# Altium PCB CherryPi.PcbDoc (part 1 of 2) (continued)
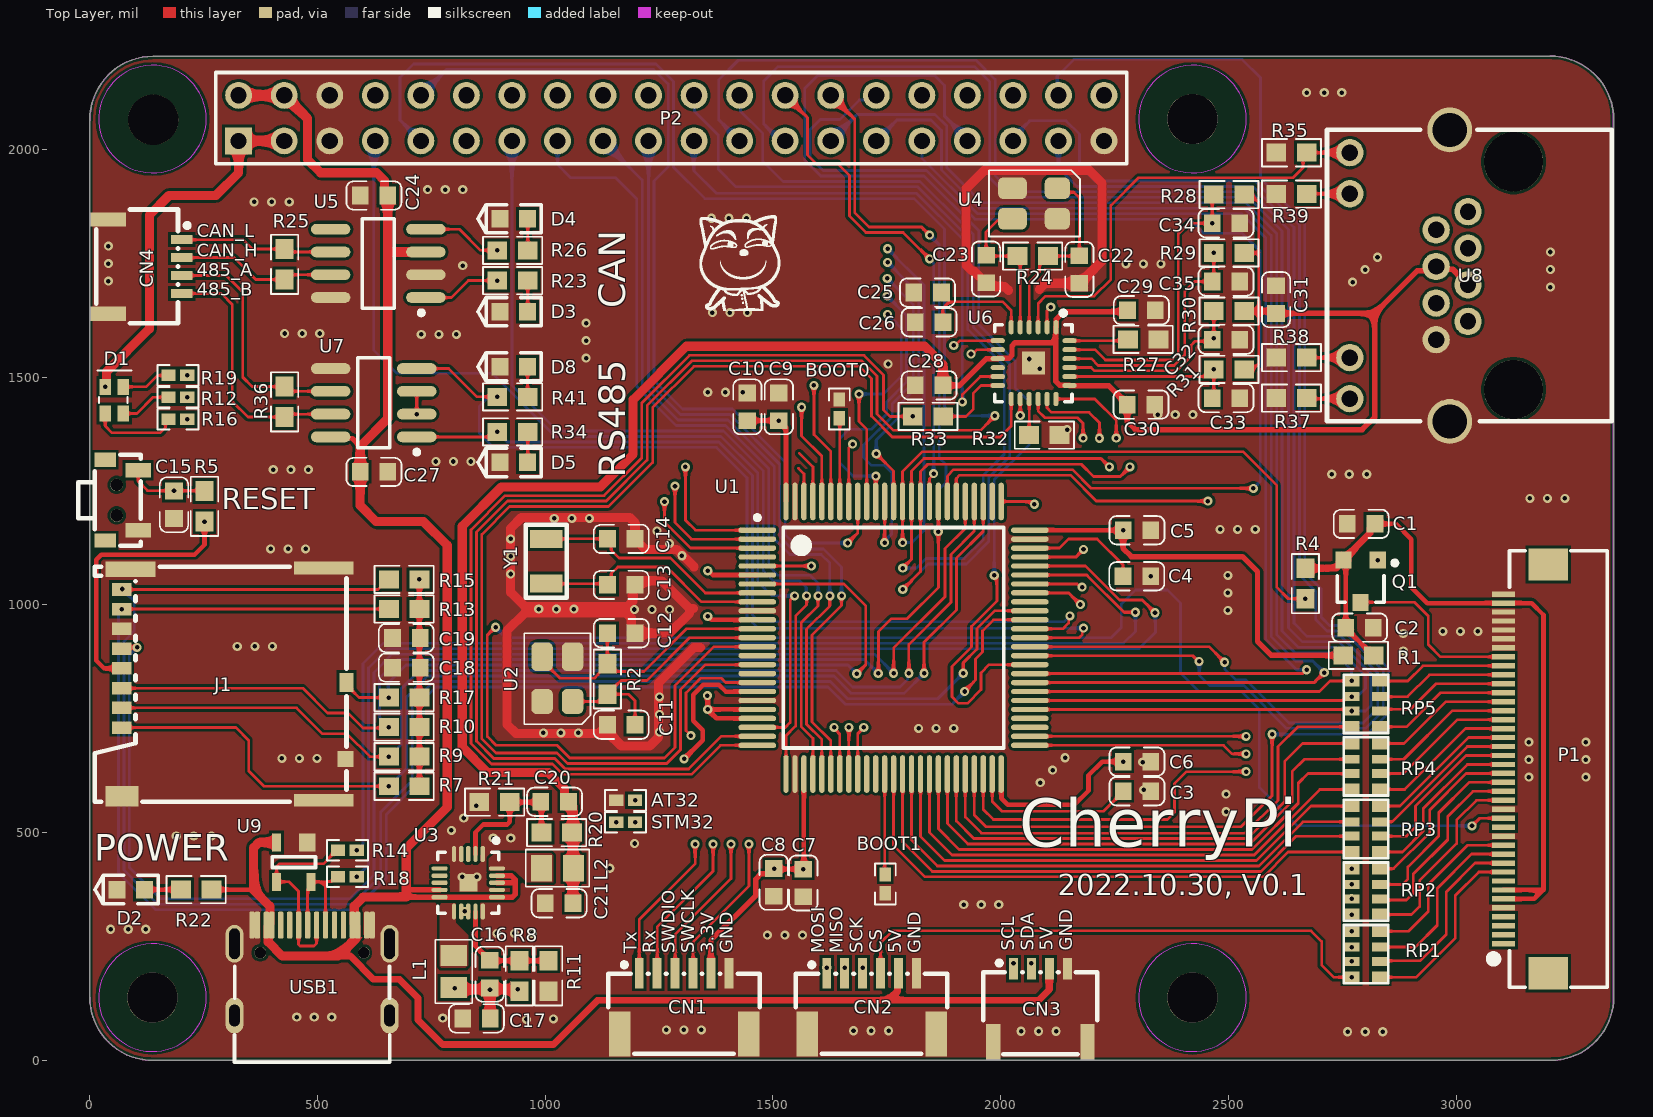
[diagram p0: Top Layer view]
## Footprints (in the part's own frame and the unit in brackets; to place one, negate y for a bottom-side part, rotate by r counter-clockwise, add the part's x,y. Pads: shape width x height; smd on the part's side, far side on the other; paste and mask are expansions set on the pad)
"0402_R - M" [mm]
  rect 0.8x0.65 smd mask+0.051: 1(-0.525,0) 2(0.525,0)
  silkscreen extent -1.14,-0.58 1.14,0.58, body extent -0.5,-0.25 0.5,0.25, height 0.35
0603_C [mm]
  rect 0.93x0.98 smd: 1(-0.77,0) 2(0.77,0)
  silkscreen extent -1.53,-0.79 1.54,0.79, body extent -0.8,-0.4 0.8,0.4, height 0.3
0603_R [mm] "贴片带丝印"
  rect 1.1x1 smd: 1(-0.85,0) 2(0.85,0)
  silkscreen extent -1.65,-0.76 1.65,0.76, body extent -0.82,-0.41 0.83,0.41, height 0.46
0603_R(2x4) [mm]
  rect 0.9x0.65 smd: 1(0.825,1.28) 2(-0.775,1.28) 7(0.825,-1.28) 8(-0.775,-1.28)
  rect 0.9x0.5 smd: 3(0.825,0.4) 4(-0.775,0.4) 5(0.825,-0.4) 6(-0.775,-0.4)
  silkscreen extent -1.22,-1.63 1.27,1.63, body extent -0.77,-1.6 0.83,1.6, height 0.6
0805_L [mm]
  rect 1.16x1.47 smd: 1(-0.89,0) 2(0.89,0)
  silkscreen extent -1.77,-1.04 1.77,1.03, body extent -1.02,-0.64 1.03,0.64, height 0.6
"FPC0.5 2H-WS-40P" [mm] "长：24.2mm，宽：5.2mm，高：2mm"
  rect 1.8x2.2 smd: 0(-11.4,0) 0(11.4,0)
  rect 0.3x1.3 smd: 1(-9.75,2.497) 2(-9.25,2.497) 3(-8.75,2.497) 4(-8.25,2.497) 5(-7.75,2.497) 6(-7.25,2.497) 7(-6.75,2.497) 8(-6.25,2.497) 9(-5.75,2.497) 10(-5.25,2.497) 11(-4.75,2.497) 12(-4.25,2.497) 13(-3.75,2.497) 14(-3.25,2.497) 15(-2.75,2.497) 16(-2.25,2.497) 17(-1.75,2.497) 18(-1.25,2.497) 19(-0.75,2.497) 20(-0.25,2.497) 21(0.25,2.497) 22(0.75,2.497) 23(1.25,2.497) 24(1.75,2.497) 25(2.25,2.497) 26(2.75,2.497) 27(3.25,2.497) 28(3.75,2.497) 29(4.25,2.497) 30(4.75,2.497) 31(5.25,2.497) 32(5.75,2.497) 33(6.25,2.497) 34(6.75,2.497) 35(7.25,2.497) 36(7.75,2.497) 37(8.25,2.497) 38(8.75,2.497) 39(9.25,2.497) 40(9.75,2.497)
  silkscreen extent -12.17,-3.3 12.17,3.23, body extent -12.1,-3.15 12.1,2.85, height 2
HDR20X2_2.54 [mm] "2.54mm"
  rect 1.5x1.5 hole 0.9: 1(0,0)
  round 1.5 hole 0.9: 2(0,2.54) 3(2.54,0) 4(2.54,2.54) 5(5.08,0) 6(5.08,2.54) 7(7.62,0) 8(7.62,2.54) 9(10.16,0) 10(10.16,2.54) 11(12.7,0) 12(12.7,2.54) 13(15.24,0) 14(15.24,2.54) 15(17.78,0) 16(17.78,2.54) 17(20.32,0) 18(20.32,2.54) 19(22.86,0) 20(22.86,2.54) 21(25.4,0) 22(25.4,2.54) 23(27.94,0) 24(27.94,2.54) 25(30.48,0) 26(30.48,2.54) 27(33.02,0) 28(33.02,2.54) 29(35.56,0) 30(35.56,2.54) 31(38.1,0) 32(38.1,2.54) 33(40.64,0) 34(40.64,2.54) 35(43.18,0) 36(43.18,2.54) 37(45.72,0) 38(45.72,2.54) 39(48.26,0) 40(48.26,2.54)
  silkscreen extent -1.27,-1.27 49.53,3.81
led-0603 [mm] "贴片带丝印"
  rect 0.93x0.98 smd: 1(0.77,0) 2(-0.77,0)
  silkscreen extent -2,-0.79 1.54,0.79, body extent -0.8,-0.4 0.8,0.4, height 0.6
LED_RGB [mil] "0603_L1.6-W1.6-BL-RD"
  rect 35x25 smd: 1(-29,21.72) 2(-29,-17.72) 3(29.62,-17.72) 4(29.62,21.72)
  silkscreen extent -65,-35 7,40
LQFP-100_M [mm] "Thin QFP, 100"
  oval 2.1x0.3 smd: 1(-7.6,6) 2(-7.6,5.5) 3(-7.6,5) 4(-7.6,4.5) 5(-7.6,4) 6(-7.6,3.5) 7(-7.6,3) 8(-7.6,2.5) 9(-7.6,2) 10(-7.6,1.5) 11(-7.6,1) 12(-7.6,0.5) 13(-7.6,0) 14(-7.6,-0.5) 15(-7.6,-1) 16(-7.6,-1.5) 17(-7.6,-2) 18(-7.6,-2.5) 19(-7.6,-3) 20(-7.6,-3.5) 21(-7.6,-4) 22(-7.6,-4.5) 23(-7.6,-5) 24(-7.6,-5.5) 25(-7.6,-6) 51(7.6,-6) 52(7.6,-5.5) 53(7.6,-5) 54(7.6,-4.5) 55(7.6,-4) 56(7.6,-3.5) 57(7.6,-3) 58(7.6,-2.5) 59(7.6,-2) 60(7.6,-1.5) 61(7.6,-1) 62(7.6,-0.5) 63(7.6,0) 64(7.6,0.5) 65(7.6,1) 66(7.6,1.5) 67(7.6,2) 68(7.6,2.5) 69(7.6,3) 70(7.6,3.5) 71(7.6,4) 72(7.6,4.5) 73(7.6,5) 74(7.6,5.5) 75(7.6,6)
  oval 0.3x2.1 smd: 26(-6,-7.6) 27(-5.5,-7.6) 28(-5,-7.6) 29(-4.5,-7.6) 30(-4,-7.6) 31(-3.5,-7.6) 32(-3,-7.6) 33(-2.5,-7.6) 34(-2,-7.6) 35(-1.5,-7.6) 36(-1,-7.6) 37(-0.5,-7.6) 38(0,-7.6) 39(0.5,-7.6) 40(1,-7.6) 41(1.5,-7.6) 42(2,-7.6) 43(2.5,-7.6) 44(3,-7.6) 45(3.5,-7.6) 46(4,-7.6) 47(4.5,-7.6) 48(5,-7.6) 49(5.5,-7.6) 50(6,-7.6) 76(6,7.6) 77(5.5,7.6) 78(5,7.6) 79(4.5,7.6) 80(4,7.6) 81(3.5,7.6) 82(3,7.6) 83(2.5,7.6) 84(2,7.6) 85(1.5,7.6) 86(1,7.6) 87(0.5,7.6) 88(0,7.6) 89(-0.5,7.6) 90(-1,7.6) 91(-1.5,7.6) 92(-2,7.6) 93(-2.5,7.6) 94(-3,7.6) 95(-3.5,7.6) 96(-4,7.6) 97(-4.5,7.6) 98(-5,7.6) 99(-5.5,7.6) 100(-6,7.6)
  silkscreen extent -7.72,-6.15 6.15,6.82, body extent -7,-7 7,7, height 0.8
NSO8_N [mm] "SOIC-max660"
  oval 2.2x0.6 smd: 1(-2.654,1.905) 2(-2.654,0.635) 3(-2.654,-0.635) 4(-2.654,-1.905) 5(2.654,-1.905) 6(2.654,-0.635) 7(2.654,0.635) 8(2.654,1.905)
  silkscreen extent -2.53,-2.5 0.9,2.88, body extent -1.95,-2.45 1.95,2.45, height 1.75
QFN-20 [mm] "QFN, 20-Leads, Body 3.00x3.00mm, Pitch 0.40mm, Thermal Pad 1.65x1.65mm, IPC Medium Density"
  oct 0.9x0.24 smd: 1(-1.6,0.8) 2(-1.6,0.4) 3(-1.6,0) 4(-1.6,-0.4) 5(-1.6,-0.8) 11(1.601,-0.8) 12(1.601,-0.4) 13(1.601,0) 14(1.601,0.4) 15(1.601,0.8)
  oct 0.24x0.9 smd: 6(-0.8,-1.6) 7(-0.4,-1.6) 8(0,-1.6) 9(0.4,-1.6) 10(0.8,-1.6) 16(0.8,1.601) 17(0.4,1.601) 18(0,1.601) 19(-0.4,1.601) 20(-0.8,1.601)
  rect 1x1 smd: 21(0,0)
  silkscreen extent -2.47,-1.7 1.7,1.7, body extent -1.56,-1.56 1.56,1.56, height 0.8
QFN-24 [mm] "L4.0-W4.0-P0.50-BL-EP2.6"
  oval 0.28x0.796 smd: 1(-1.25,-2) 2(-0.75,-2) 3(-0.25,-2) 4(0.25,-2) 5(0.75,-2) 6(1.25,-2) 13(1.25,2) 14(0.75,2) 15(0.25,2) 16(-0.25,2) 17(-0.75,2) 18(-1.242,2)
  oval 0.796x0.28 smd: 7(2,-1.25) 8(2,-0.75) 9(2,-0.25) 10(2,0.25) 11(2,0.75) 12(2,1.25) 19(-2,1.25) 20(-2,0.75) 21(-2,0.25) 22(-2,-0.25) 23(-2,-0.75) 24(-2,-1.25)
  rect 1.27x1.27 smd: 25(0.013,0)
  silkscreen extent -2.14,-3.05 2.16,2.15
RJ45 [mil]
  round 60 hole 36: 1(140.55,-129.72) 2(100.39,-59.64) 3(60.24,-129.72) 4(20.08,-59.65) 5(-20.08,-129.72) 6(-60.24,-59.65) 7(-100.39,-129.72) 8(-140.55,-59.64) 9(-270.08,129.72) 10(-179.92,129.72) 11(179.92,129.72) 12(270.08,129.72)
  round 98.42 hole 74.8: 13(320.08,-89.57) 14(-320.08,-89.57)
  round 129.92 hole 129.92 unplated: ""(-250,-229.73) ""(250,-229.73)
  silkscreen extent -320,-445 320,180
SH1.0_4P [mm] "SH1.0 4P 卧贴"
  rect 0.5x1.2 smd: 1(-1.5,2.05) 2(-0.5,2.05) 3(0.5,2.05) 4(1.5,2.05)
  rect 0.8x2 smd: 5(2.625,-2.05) 6(-2.625,-2.05)
  silkscreen extent -3.18,-2.72 3.17,2.48
SH1.0_6P [mm] "SH1.0 6P 卧贴"
  rect 0.5x1.7 smd: 1(-2.5,1.7) 2(-1.5,1.7) 3(-0.5,1.7) 4(0.5,1.7) 5(1.5,1.7) 6(2.5,1.7)
  rect 1.2x2.5 smd: 7(3.6,-1.7) 8(-3.6,-1.7)
  silkscreen extent -4.22,-2.79 4.22,2.29
SMD-3215 [mm]
  rect 1x1.8 smd: 1(-1.25,0) 2(1.25,0)
  silkscreen extent -2.03,-1.14 2.03,1.14
SMD_3225_4P [mm] "无源4脚晶振"
  rrect50% 1.4x1.2 smd: 1(0,0) 4(0,1.7)
  rrect50% 1.6x1.2 smd: 2(2.5,0) 3(2.5,1.7)
  silkscreen extent -1.27,-1 3.81,2.69
SOIC8_N [mm] "8-Pin Small Outline Integrated Circuit Package (SOIC8), IPC Medium Density"
  oval 2.2x0.6 smd: 1(-2.4,1.905) 2(-2.4,0.635) 3(-2.4,-0.635) 4(-2.4,-1.905) 5(2.4,-1.905) 6(2.4,-0.635) 7(2.4,0.635) 8(2.4,1.905)
  silkscreen extent -2.53,-2.5 0.9,2.88, body extent -1.95,-2.45 1.95,2.45, height 1.75
SOT-23 [mm]
  rect 0.9x0.95 smd: 1(-0.95,-1.175) 2(0.95,-1.175) 3(0,1.175)
  silkscreen extent -2.03,-1.14 1.3,1.18
SOT_143 [mm]
  rect 1x0.9 smd: 1(1.1,-0.75)
  rect 1x0.5 smd: 2(1.1,0.96) 3(-1.1,0.96) 4(-1.1,-0.96)
  silkscreen extent -0.3,-1.2 0.3,1.2, body extent -1.22,-1.46 1.2,1.46, height 1
SW-SMD_2*4 [mm] "侧按2*4"
  rect 0.8x1.4 smd: 1(-1.675,-1.23) 2(1.675,-1.23)
  rect 0.8x1.2 smd: 3(-2.25,0.605) 4(2.25,0.605)
  round 0.7 hole 0.7 unplated: ""(-0.85,-0.03) ""(0.85,-0.03)
  silkscreen extent -2.54,-1.38 2.54,2.12
TF-SMD_503398-1892 [mil]
  rect 27.6x43.3 smd mask+2: 1(-95.3,246.9) 2(-52,246.9) 3(-8.7,246.9) 4(34.7,246.9) 5(78,246.9) 6(121.3,246.9) 7(164.6,246.9) 8(207.9,246.9)
  rect 41.3x30.7 smd mask+2: 9(3.7,-246.8)
  rect 35.4x35.4 smd mask+2: 10(-164.2,-244.5)
  rect 27.6x131.1 smd mask+2: 11(-255.1,-196.7) 11(255.1,-196.7)
  rect 44.9x72 smd mask+2: 12(-246.5,246.3)
  rect 33.9x110.2 smd mask+2: 13(252,227.2)
  silkscreen extent -258,-247 258,306
Type-C-16Pin [mm]
  round 0.65 hole 0.65: 0(-0.98,2.89) 0(-0.98,-2.89)
  oval 2x1 hole 0.6 slot 1.2 at 0 deg: 1(2.52,4.325) 2(2.52,-4.325)
  oval 2.1x1 hole 0.6 slot 1.7 at 0 deg: 3(-1.48,-4.325) 4(-1.48,4.325)
  rrect50% 1.5x0.3 smd: A1(-2.52,-3.35) A4(-2.52,-2.55) A5(-2.52,-1.25) A6(-2.52,-0.25) A7(-2.52,0.25) A8(-2.52,1.25) A9(-2.52,2.55) A12(-2.52,3.35) B1(-2.52,3.05) B4(-2.52,2.25) B5(-2.52,1.75) B6(-2.52,0.75) B7(-2.52,-0.75) B8(-2.52,-1.75) B9(-2.52,-2.25) B12(-2.52,-3.05)
  silkscreen extent -0.22,-4.33 5.12,4.33, body extent -2.64,-4.48 5.26,4.46, height 3.28

## Part data
AT32 BOOT0 BOOT1 R2 R4 R5 R8 R11 R20 R21 R24 STM32: "贴片电阻", LatestRevisionDate=17-Jul-2002, LatestRevisionNote="Re-released for DXP Platform.", PackageReference=AXIAL-0.4, Published=8-Jun-2000, Publisher="Altium Limited"
C1 C2 C3 C4 C5 C6 C7 C8 C9 C10 C18 C19 C24 C25 C26 C27 C28 C29 C30 C31 C32 C33 C34 C35: "无极性电容", LatestRevisionDate=17-Jul-2002, LatestRevisionNote="Re-released for DXP Platform.", PackageReference=RAD-0.3, Published=8-Jun-2000, Publisher="Altium Limited"
C11 C12 C13 C14 C15 C16 C17 C20 C21 C22 C23: "Capacitor", LatestRevisionDate=17-Jul-2002, LatestRevisionNote="Re-released for DXP Platform.", PackageDescription="Radial Cap, Thru-Hole; 2 Leads; 0.3 in Pin Spacing", PackageReference=RAD-0.3, Published=8-Jun-2000, Publisher="Altium Limited"
CN1 CN2: BOM_JLCPCB Part Class="Extended Part", BOM_Manufacturer=XUNPU(讯普), BOM_Manufacturer Part=WAFER-SH1.0-6PWB, BOM_Supplier=LCSC, BOM_Supplier Part=C3029345, Contributor=lcsc, link=https://atta.szlcsc.com/upload/public/pdf/source/20220527/1879B8210BD3B2006BCEAC1A40D397B6.pdf, spicePre=C, spiceSymbolName=WAFER-SH1.0-6PWB
CN3 CN4: BOM_JLCPCB Part Class="Extended Part", BOM_Manufacturer=HDGC(华德共创), BOM_Manufacturer Part=HDGC1002WR-S-4P, BOM_Supplier=LCSC, BOM_Supplier Part=C2936214, Contributor=LCSC, spicePre=C, spiceSymbolName=HDGC1002WR-S-4P
D1: library part LED_RGB, "共阳三色LED"
D2 D3 D4 D5 D8: "发光二极管", LatestRevisionDate=08-Jul-2005, LatestRevisionNote="Mech Layer 1 removed.", PackageReference=LED-0, Published=8-Jun-2000, Publisher="Altium Limited"
J1: "TF卡槽"
L1 L2: "电感", Code_IEC=1005, Code_JEITA=0402, LatestRevisionDate=17-Jul-2002, LatestRevisionNote="Re-released for DXP Platform.", PackageReference=0402-A, Published=8-Jun-2000, Publisher="Altium Limited"
P1 P2: "接插件", LatestRevisionDate=17-Jul-2002, LatestRevisionNote="Re-released for DXP Platform.", Publisher="Altium Limited"
Q1: "P-Channel MOSFET", PackageDocument=1995/1996, LatestRevisionDate=17-Jul-2002, LatestRevisionNote="Re-released for DXP Platform.", PackageReference=E3, Published=8-Jun-2000, Publisher="Altium Limited"
R1 R7 R9 R10 R12 R13 R15 R16 R17 R19 R22 R25: library part Res, "贴片电阻", LatestRevisionDate=17-Jul-2002, LatestRevisionNote="Re-released for DXP Platform.", PackageReference=AXIAL-0.4, Published=8-Jun-2000, Publisher="Altium Limited"
R14 R18 R23 R26 R27 R28 R29 R30 R31 R32 R33 R34 R35 R36 R37 R38 R39 R41: library part Res2, "Resistor", LatestRevisionDate=17-Jul-2002, LatestRevisionNote="Re-released for DXP Platform.", PackageReference=AXIAL-0.4, Published=8-Jun-2000, Publisher="Altium Limited"
RESET: library part ButtonTACT_3x4x2_180, "Button", Type="TACT 2P"
RP1 RP2 RP3 RP4 RP5: library part R_pack
U1: "STM32单片机100引脚"
U2 U4: library part SMD-2520, "四脚无源晶振"
U3: "3-channels power management IC"
U5: library part SN65HVD230, "CAN芯片"
U6: "以太网芯片"
U7: "RS-485/RS-422芯片"
U8: "以太网连接器"
U9: "3-channels ESD protection"
USB1: library part TYPE-C16PIN, BOM_Manufacturer="SHOU HAN", BOM_Manufacturer Part=TYPE-C16PIN, BOM_Supplier=LCSC, BOM_Supplier Part=C393939, Contributor=LCSC, spicePre=U, spiceSymbolName=TYPE-C16PIN
Y1: "晶振", LatestRevisionDate=17-Jul-2002, LatestRevisionNote="Re-released for DXP Platform.", PackageReference=R38, Published=8-Jun-2000, Publisher="Altium Limited"

## Free pads (board coordinates)
  round 110.24 hole 110.24: 0(137.8,137.8) 0(139.5,2065.22) 0(2421.26,137.8) 0(2421.26,2066.93)

## Via types
v1: diameter 20, hole 10, Top Layer to Bottom Layer, 296 vias

## Nets (pads, with @x,y where several pads share a name; then routed paths per layer and width w, separated by ;. In a path a pad name is that pad's centre, name@x,y a point inside that pad or via, vN(x,y) a via of type N, cw(c..) or ccw(c..) an arc to the next point about the centre after c; other vN are vias at no path point)
485_A: CN4.3 R36.1 U7.6 | length 542.2
  Top Layer w6: CN4.3@201.71,1723.32 299.68,1723.32 336,1687 336,1500 356.54,1479.46 R36.1@428,1479.46 438.46,1469 U7.6@529,1469
485_B: CN4.4 R36.2 U7.7 | length 567.2
  Top Layer w6: CN4.4@201.71,1683.95 289.05,1683.95 313,1660 313,1447 347.46,1412.54 R36.2@428,1412.54 434.46,1419 U7.7@529,1419
485_EN: U1.18 U7.2 U7.3 | length 1713.7
  Top Layer w6: v1(717.98,1419) U7.3@717.98,1469 ; v1(1320,713) 1309,724 1309,807 1341,839 1386.8,839 1396.22,829.57 U1.18@1465.79,829.57
  Mid-Layer 2 w6: v1(717.98,1419) 717.98,1303.02 757,1264 1215,1264 1284,1333 1316,1333 1333,1316 1333,726 v1(1320,713)
485_Rx: R34.2 U1.64 U7.1 | length 1903.2
  Top Layer w6: U7.1@717.98,1369 883.94,1369 v1(894.94,1380) ; U1.64@2064.21,947.69 2136.69,947.69 2149.32,960.32 2149.32,973.32 v1(2152,976)
  Bottom Layer w6: v1(894.94,1380) 916.94,1358 1381.15,1358 1455,1284.15 1455,978 1470,963 2139,963 v1(2152,976)
485_Tx: R41.2 U1.63 U7.4 | length 2126.5
  Top Layer w6: U7.4@717.98,1519 788,1519 850,1457 v1(894.94,1457) ; U1.63@2064.21,928 2171.89,928 2179.32,935.43 2179.32,946.32 v1(2182,949)
  Bottom Layer w6: v1(894.94,1457) 894.87,1456.94 875.94,1456.94 855,1436 855,1377.4 886.4,1346 1376.18,1346 1443,1279.18 1443,973.03 1467.03,949 v1(2182,949)
BOOT0: BOOT0.2 U1.94 | length 170.2
  Top Layer w6: BOOT0.2@1646,1397 1646.89,1396.11 U1.94@1646.89,1227.21
BOOT1: BOOT1.2 U1.37 | length 208.5
  Top Layer w6: U1.37@1745.32,628.79 1745.32,422.68 BOOT1.2@1747,421
CAN_RX: P2.34 R26.2 U1.95 U5.4 | length 3407.6
  Top Layer w6: U5.4@737.98,1825 812,1825 858.4,1778.6 v1(894.94,1778.6) ; v1(1590,1482) 1590,1374 1627.2,1336.8 U1.95@1627.2,1227.21
  Mid-Layer 2 w6: v1(1590,1482) 1576,1496 1576,1659.03 1510.03,1725 979,1725 925.4,1778.6 v1(894.94,1778.6) 609.4,1778.6 577,1811 577,2141 610,2174 1872,2174 P2.34@1927,2119
CAN_TX: P2.36 R23.2 U1.96 U5.1 | length 3744.4
  Top Layer w6: U5.1@737.98,1675 794,1675 831.26,1712.26 v1(894.94,1712.26) ; v1(1563,1434) 1563,1371 1607.52,1326.48 U1.96@1607.52,1227.21
  Mid-Layer 2 w6: v1(1563,1434) 1563,1655 1505.74,1712.26 v1(894.94,1712.26) 893.67,1711 516,1711 473.49,1753.51 473.49,2151.49 509,2187 1959,2187 P2.36@2027,2119
CANH: CN4.2 R25.1 U5.7 | length 351.6
  Top Layer w6: CN4.2@201.71,1762.69 316.31,1762.69 364.46,1714.54 R25.1@428,1714.54 438.46,1725 U5.7@529,1725
CANL: CN4.1 R25.2 U5.6 | length 338.5
  Top Layer w6: CN4.1@201.71,1802.06 336.94,1802.06 357.54,1781.46 R25.2@428,1781.46 434.46,1775 U5.6@529,1775
D+: R18.1 U9.4 USB1.A6 USB1.B6 | length 260.9
  Top Layer w6: USB1.A6@478.32,297 478.32,374.68 485.8,382.17 U9.4@485.8,392.01 508.27,392.01 ; USB1.B6@517.68,297 517.68,382.59 508.27,392.01 ; R18.1@545,403.32 542.05,403.32 530.74,392.01 508.27,392.01
D-: R14.1 U9.3 USB1.A7 USB1.B7 | length 440.8
  Top Layer w6: USB1.A7@498,297 498,257 492,251 462.14,251 458.63,254.51 USB1.B7@458.63,297 458.63,371.37 437.99,392.01 U9.3@410.2,392.01 410.2,425.2 417,432 513.99,432 520.67,438.68 520.67,439.94 542.05,461.32 R14.1@545,461.32
ETH_MDC: U1.16 U6.13 | length 2810.8
  Top Layer w6: U1.16@1465.79,868.94 1351.94,868.94 1297,814 1297,682 1267,652 1049,652 1026,675 892,675 861,706 861,1155 922,1216 1139,1216 1236,1313 1236,1433.19 1326.81,1524 1690.06,1524 1716.59,1497.47 1716.59,1414.44 1762.03,1369 1780,1369 1999,1369 2023.29,1393.29 U6.13@2023.29,1452.26
ETH_OSC_IN: C23.2 R24.2 U4.3 U6.5 | length 349.6
  Top Layer w6: U4.3@2026,1848 2022,1844 1993,1844 1968,1819 C23.2@1968,1768 1970,1766 R24.2@2037.07,1766 2042.97,1760.1 U6.5@2042.97,1609.74
ETH_OSC_OUT: C22.2 R24.1 U4.1 U6.4 | length 428.2
  Top Layer w6: U6.4@2062.66,1609.74 2062.66,1708.34 2085.35,1731.03 2085.35,1749.31 2102.03,1766 R24.1@2104,1766 2172,1766 C22.2@2173,1767 2173,1894 2160.98,1906.02 2133.34,1906.02 U4.1@2124.42,1914.93
ETH_VCC_3.3V: C20.2 C21.2 C28.1 C29.1 C30.1 C31.1 L2.2 R20.2 R28.1 R29.1 R30.1 R31.1 U6.1 U6.9 U6.19 U8.4 U8.5 | length 4964.4
  Top Layer w6: R31.1@2535,1517.13 2554.13,1517.13 2566.54,1529.54 2566.54,1645.09 2566.54,1773.04 ; R29.1@2535,1773.04 2566.54,1773.04 ; R28.1@2535,1901 2550,1901 2566.54,1884.46 2566.54,1773.04
  Top Layer w12: C28.1@1873.32,1482 1910,1482 1968.35,1540.35 1993.27,1540.35 U6.9@1993.76,1540.84 1994.25,1541.33 2017.97,1541.33 2025,1548.36 2025,1568.97 2032.03,1576 2113,1576 2121.22,1584.22 ; C29.1@2278,1644 2139,1644 2122,1627 2122,1610.03 U6.1@2121.71,1609.74 2121.22,1609.25 2121.22,1584.22 ; R30.1@2535,1645.09 2566.54,1645.09 2599.6,1645.09 C31.1@2604.69,1640 2821,1640 ; U8.5@3026.3,1702.92 2992.36,1736.86 2962.44,1736.86 U8.4@2956.22,1743.08 2947.04,1733.89 2914.89,1733.89 2821,1640 ; 2121.22,1584.22 2121.22,1490.78 2130,1482 2151.03,1482 U6.19@2151.24,1481.79 2237.2,1481.79 2278,1440.98 C30.1@2278,1440 2278,1402.71 2295.71,1385 2794,1385 2821,1412 2821,1640
  Top Layer w20: C20.2@1051.05,568 1042.74,576.31 1042.74,596.26 1007,632 874.16,632 818,688.16 818,1172.81 904.19,1259 1121.19,1259 1193,1330.81 1193,1451 1310,1568 1833,1568 1873.32,1527.68 C28.1@1873.32,1482 ; C21.2@1061,345 C20.2@1061,557.06
FB1: C16.1 R8.1 R11.2 U3.14 | length 250.1
  Top Layer w10: U3.14@847.06,326.98 847.06,250.88 864.02,233.92 864.02,232.94 877.33,219.63 C16.1@878.31,219.63 878.94,219 R8.1@943.31,219 R11.2@1007.31,219
FB3: C20.1 R20.1 R21.2 U3.2 | length 311
  Top Layer w10: U3.2@847.06,453 847.06,501.06 864,518 916.46,518 922.31,523.86 R21.2@922.31,567 989.42,567 991.83,564.58 R20.1@991.83,500
FSMC_A22: RP1.3 U1.5 | length 2396
  Top Layer w6: U1.5@1465.79,1085.48 v1(1584.48,1085.48)
  Mid-Layer 2 w6: v1(1584.48,1085.48) 1584.48,1127 1626,1168.52 1626,1259.03 1732.97,1366 2105.94,1366 2196.94,1275 2249.97,1275 2387.57,1137.4 2387.57,1106.58 2387.57,417.33 2507.33,297.57 2623.43,297.57 2703.62,217.38 v1(2770.63,217.38)
FSMC_CLK: P2.26 U1.84 | length 1106.2
  Top Layer w6: P2.26@1527,2119 1576,2070 1576,1988 1596,1968 1643,1968 1668,1943 1668,1854 1704,1818 1786,1818 v1(1844,1760) ; U1.84@1843.74,1227.21 1843.74,1277.55 1853,1286.81 v1(1853,1288.24)
  Bottom Layer w6: v1(1844,1760) 1844,1758.49 1853,1749.49 v1(1853,1288.24)
FSMC_D0: P2.35 RP2.1 U1.61 | length 3654.4
  Top Layer w6: U1.61@2064.21,888.63 2421.76,888.63 2434.39,876 v1(2436,876)
  Mid-Layer 2 w6: v1(2436,876) 2436,427 2526,337 2710.56,337 2727.56,320 v1@2771,320
  Bottom Layer w6: P2.35@2027,2019 2027,2026 2064,2063 2144,2063 2173,2034 2173,1964 2206,1931 2559.05,1931 2656,1834.05 2656,1066 2692,1030 2692,968 2717,943 2752.88,943 2840,855.88 2840,768.03 2837,765.03 ; v1(2436,876) 2436,846 2459,823 2534,823 2628,729 2801,729 2837,765
  other v1: 2770.63,320.17
FSMC_D1: P2.37 RP2.3 U1.62 | length 3470.2
  Top Layer w6: U1.62@2064.21,908.32 2457.68,908.32 v1(2491.74,874.26)
  Mid-Layer 2 w6: v1(2491.74,874.26) 2451,833.52 2451,437 2535,353 v1@2771,353
  Bottom Layer w6: P2.37@2127,2019 2127,1959.99 2167.99,1919 2554.08,1919 2644,1829.08 2644,960 2673,931 2747.91,931 2828,850.91 2828,773 2796,741 2632.97,741 2538.97,835 2516.52,835 2491.94,859.58 2491.94,874.06 v1(2491.74,874.26)
  other v1: 2770.63,354.82
FSMC_D2: P2.32 RP2.5 U1.81 | length 3437
  Top Layer w6: U1.81@1902.8,1227.21 1902.8,1277.8 1910,1285 2153,1285 2210,1228 v1(2455,1228)
  Mid-Layer 2 w6: P2.32@1827,2119 1876,2070 2049,2070 2076,2097 2076,2163 2104,2191 2250,2191 2282.49,2158.51 2282.49,1960.51 2193,1871.03 2193,1424 2220,1397 2276.97,1397 2349,1324.97 2349,1277.79 2398.79,1228 v1(2455,1228) 2560,1228 2630.5,1157.5 2630.5,435.5 2679.69,386.31 v1(2770.63,386.31)
FSMC_D3: P2.30 RP2.7 U1.82 | length 3564.9
  Top Layer w6: U1.82@1883.11,1227.21 1883.11,1283.11 1897,1297 2157.97,1297 2198.97,1256 v1(2555,1256)
  Mid-Layer 2 w6: v1(2555,1256) 2642.5,1168.5 2642.5,462.5 2684,421 v1@2772,421
  Bottom Layer w6: P2.30@1727,2119 1716.85,2108.85 1689.85,2108.85 1647,2066 1604,2066 1582,2044 1582,1982 1610,1954 1836.97,1954 1943.97,1847 2415,1847 2445.79,1816.21 2530.36,1816.21 2570,1776.57 2570,1271 v1(2555,1256)
  other v1: 2770.63,420.96
FSMC_D4: RP3.1 U1.38 | length 1213.6
  Top Layer w6: U1.38@1765,628.79 1765,472.07 1834.07,403 2576.79,403 2631.4,457.61 RP3.1@2770.63,457.61
FSMC_D5: RP3.3 U1.39 | length 1193.4
  Top Layer w6: U1.39@1784.68,628.79 1784.68,480.36 1850.04,415 2571.82,415 2649.08,492.25 RP3.3@2770.63,492.25
FSMC_D6: RP3.5 U1.40 | length 1174.9
  Top Layer w6: U1.40@1804.37,628.79 1804.37,483.7 1861.07,427 2566.85,427 2663.6,523.75 RP3.5@2770.63,523.75
FSMC_D7: RP3.7 U1.41 | length 1154.8
  Top Layer w6: U1.41@1824.06,628.79 1824.06,492.02 1877.07,439 2561.88,439 2681.28,558.39 RP3.7@2770.63,558.39
FSMC_D8: RP4.1 U1.42 | length 1135.4
  Top Layer w6: U1.42@1843.74,628.79 1843.74,500.33 1893.07,451 2556.91,451 2700.95,595.04 RP4.1@2770.63,595.04
FSMC_D9: RP4.3 U1.43 | length 1141
  Top Layer w6: U1.43@1863.43,628.79 1863.43,508.65 1909.07,463 2551.94,463 2653.47,564.53 2653.47,608.47 2674.69,629.69 RP4.3@2770.63,629.69
FSMC_D10: RP4.5 U1.44 | length 1130.7
  Top Layer w6: U1.44@1883.11,628.79 1883.11,519.96 1928.07,475 2546.97,475 2640.06,568.09 2640.06,634.06 2667.19,661.19 RP4.5@2770.63,661.19
FSMC_D11: RP4.7 U1.45 | length 1125.3
  Top Layer w6: U1.45@1902.8,628.79 1902.8,525.25 1941.04,487 2542,487 2624,569 2624,657 2662.83,695.83 RP4.7@2770.63,695.83
FSMC_D12: RP5.1 U1.46 | length 1123
  Top Layer w6: U1.46@1922.48,628.79 1922.48,534.52 1958,499 2537.03,499 2609,570.97 2609,689 2652.48,732.48 RP5.1@2770.63,732.48
FSMC_D13: P2.23 RP5.3 U1.55 | length 3621.9
  Top Layer w6: U1.55@2064.21,770.52 2767.24,770.52 v1(2770.63,767.13)
  Bottom Layer w6: P2.23@1427,2019 1381,2065 1381,2153 1424,2196 1945.97,2196 1988,2153.97 1988,1942.94 2023.94,1907 2549.11,1907 2632,1824.11 2632,949.49 2662.49,919 2742.94,919 2813,848.94 2813,779 2801.13,767.13 v1(2770.63,767.13)
FSMC_D14: P2.25 RP5.5 U1.56 | length 3458.3
  Top Layer w6: U1.56@2064.21,790.2 2754.34,790.2 2762.76,798.62 v1(2770.63,798.62)
  Bottom Layer w6: P2.25@1527,2019 1517,2019 1480,2056 1480,2151 1511,2182 1943,2182 1976,2149 1976,1937.97 2018.97,1895 2544.14,1895 2618,1821.14 2618,943 2654,907 2737.97,907 2801,843.97 2801,817 2784.06,800.06 2772.07,800.06 v1(2770.63,798.62)
FSMC_D15: P2.27 RP5.7 U1.57 | length 2982.3
  Top Layer w6: U1.57@2064.21,809.89 2699.89,809.89 2723.27,833.27 v1(2770.63,833.27)
  Bottom Layer w6: P2.27@1627,2019 1685,2077 1856,2077 1882,2051 1882,1959.88 1958.88,1883 2539.17,1883 2606,1816.17 2606,935.55 2646.55,895 2733,895 2770.63,857.37 v1(2770.63,833.27)
FSMC_NE1: CN2.4 P2.18 RP1.1 U1.88 | length 4643.3
  Top Layer w6: v1(1727,1332) 1765,1294 U1.88@1765,1227.21 ; CN2.4@1736.33,203.86 1736.33,258.33 1762.51,284.51 2681.49,284.51 2705,261 2705,209 2731.27,182.73 v1(2770.63,182.73)
  Mid-Layer 2 w6: P2.18@1127,2119 1170,2076 1170,1866 1239,1797 1539.93,1797 1584.93,1752 v1(1752,1752) ; v1(1727,1332) 1749,1354 2100.97,1354 2191.97,1263 2245,1263 2375.57,1132.43 2375.57,405.43 2500.33,280.67 2604.33,280.67 2702.27,182.73 v1(2770.63,182.73)
  Bottom Layer w6: v1(1727,1332) 1727,1362 1774,1409 1774,1436 1820,1482 1820,1684 v1(1752,1752)
FSMC_NEW: P2.22 RP1.5 U1.86 | length 3776.8
  Top Layer w6: v1(1785,1081) 1804.37,1100.37 U1.86@1804.37,1227.21 1804.37,1294.37 1831.49,1321.49 2220.51,1321.49 v1(2239,1303)
  Mid-Layer 2 w6: v1(2239,1303) 2239,1302.94 2401,1140.94 2401,422.89 2512.89,311 2647,311 2709.13,248.87 v1(2770.63,248.87)
  Bottom Layer w6: P2.22@1327,2119 1328.01,2117.99 1328.01,2083.99 1380,2032 1380,1957 1419,1918 1818.03,1918 1928,1808.03 1928,1604.59 1962,1570.59 2008,1524.59 2008,1330.94 1962,1284.94 1962,1143.97 1920.03,1102 1836.03,1102 1815.03,1081 v1(1785,1081)
FSMC_NOE: P2.24 RP1.7 U1.85 | length 3761.1
  Top Layer w6: v1(1785,1034) 1824.06,1073.06 U1.85@1824.06,1227.21 1824.06,1293.06 1840,1309 2177,1309 2204,1282 2263,1282 v1(2284,1303)
  Mid-Layer 2 w6: v1(2284,1303) 2284,1274.91 2413,1145.91 2413,427.86 2517.86,323 2672,323 2711.48,283.52 v1(2770.63,283.52)
  Bottom Layer w6: P2.24@1427,2119 1429.01,2116.99 1429.01,2083.99 1478,2035 1478,1974 1522,1930 1823,1930 1918,1835 1940,1813 1940,1609.56 2020,1529.56 2020,1325.97 1974,1279.97 1974,1139 1925,1090 1841,1090 v1(1785,1034)
GND: AT32.2 BOOT0.1 BOOT1.1 C1.2 C2.2 C3.1 C4.1 C5.2 C6.2 C7.2 C8.2 C9.2 C10.2 C11.1 C12.1 C13.2 C14.1 C15.1 C17.1 C18.2 C19.2 C21.1 C22.1 C23.1 C24.2 C25.2 C26.2 C27.1 C28.2 C29.2 C30.2 C31.2 C32.2 C33.2 C34.2 C35.2 CN1.6 CN1.7 CN1.8 CN2.6 CN2.7 CN2.8 CN3.4 CN3.5 CN3.6 CN4.5 CN4.6 D2.2 D3.2 D4.2 D5.2 D8.2 J1.6 J1.10 J1.11 J1.12 J1.13 P1.5 P1.13 P1.16 P1.34 P1.35 P1.36 P1.37 P1.38 P1.40 P2.5 P2.6 P2.39 R11.1 R21.1 R27.1 R32.1 R35.1 R37.2 R38.2 R39.1 RESET.1 U1.10 U1.20 U1.27 U1.74 U1.99 U2.2 U2.4 U3.1 U3.4 U3.5 U3.12 U3.13 U3.15 U3.17 U3.21 U4.2 U4.4 U5.2 U5.8 U6.25 U7.5 U8.8 U8.13 U8.14 U9.1 USB1.1 USB1.2 USB1.3 USB1.4 USB1.A1 USB1.A12 USB1.B1 USB1.B12 | length 3363.9
  Top Layer w20: v1(823,327) v1@826.06,326.98 ; C11.1@1136.68,737 1136.68,736.02 1128.38,727.71 1127.39,727.71 1117.68,718 ; 1325,992 1317,992 ; 1327,1084 1289,1122 1219.33,1122 1197.32,1144.02 C14.1@1197.32,1145 1197.32,1180.28 1185.6,1192 948,1192 924,1168 924,1028 955,997 1180.86,997 1192.57,1008.72 1192.57,1039.26 C13.2@1197.31,1044 1197.31,1044.69 1205.62,1053 1256,1053 1317,992 ; 1341,907 1327,907 1249,829 1249,710 1229,690 1167.5,690 1139.5,718 1117.68,718 ; 2017,1691 2008.94,1699.06 1976.31,1699.06 C23.1@1968,1707.37 1967.02,1707.37 1941.53,1732.86 1938.14,1732.86 1924,1747 1924,1914 1964.55,1954.55 2194.45,1954.55 2223,1926 2223,1755.39 2173.98,1706.37 C22.1@2173,1706.37 2098.37,1706.37 2085,1693 ; 1117.68,718 936,718 916,738 916,943 956,983 1177.29,983 1189.01,971.28 1189.01,946.31 C12.1@1197.31,938 1273,938 1317,982 1317,992
  other v1: 2762,63 2800.5,63 2839,63 2045,64 2083.5,64 2122,64 1677,65 1715.5,65 1754,65 1266,67 1304.5,67 1343,67 959,90 1018,91 775,93 454.5,95 493,95 531.5,95 1488,275 1526.5,275 1565,275 894,279 932.5,279 971,279 46,288 84.5,288 123,288 1919,342 1957.5,342 1996,342 818,403 850,403 1141.78,421.78 1196.22,476.22 886,488 924.5,488 190,493 228.5,493 267,493 794,505 821.22,532.22 2495,546 848.45,559.45 2495,584.5 2314,594 2087,610 3160,622 3285,622 2114.22,637.22 2312,655 3160,660.5 3285,660.5 422,663 460.5,663 499,663 2141.45,664.45 3160,699 3285,699 996,719 1034.5,719 1073,719 1251,721 1820,729 1858.5,729 1897,729 1251,759.5 1251,798 2884,899 324,909 362.5,909 401,909 2884,937.5 2971,942 3009.5,942 3048,942 2499,988 1196,990 1234.5,990 1273,990 986,991 1024.5,991 1063,991 2499,1026.5 2329.32,1063 2499,1065 924,1068 924,1106.5 1300,1108 397,1123 435.5,1123 474,1123 1272.78,1135.22 924,1145 1245.55,1162.45 2482,1166 2520.5,1166 2559,1166 1020,1190 1058.5,1190 1097,1190 3162,1234 3200.5,1234 3239,1234 2727,1287 2765.5,1287 2804,1287 403,1297 441.5,1297 480,1297 760,1315 798.5,1315 837,1315 2146,1385 2345,1418 2383.5,1418 2422,1418 1357,1467 1395.5,1467 1434,1467 2086,1519 1753,1529 2063,1540 1090,1542 1090,1580.5 728,1594 766.5,1594 805,1594 428,1596 466.5,1596 505,1596 1090,1619 1367,1642 1405.5,1642 1444,1642 3207,1698 2773,1709 41,1711 2800.22,1736.22 3207,1736.5 819,1745 2275,1749 2313.5,1749 2352,1749 41,1749.5 2827.45,1763.45 3207,1775 41,1788 1365,1849 1403.5,1849 1442,1849 361,1885 399.5,1885 438,1885 742,1912 780.5,1912 819,1912 2672,2125 2710.5,2125 2749,2125
I2C1_SCL: CN3.1 P2.10 U1.92 | length 4196.2
  Top Layer w6: v1(1664,1136) 1686.26,1158.26 U1.92@1686.26,1227.21
  Mid-Layer 2 w6: v1(1664,1136) 1687,1136 1749,1198 1749,1326 1765,1342 2096,1342 2187,1251 2240.03,1251 2363.57,1127.46 2363.57,268.57 2296,201 2095,201 2083,189 2052.99,189 v1(2028.29,213.7)
  Bottom Layer w6: P2.10@727,2119 784,2176 1238,2176 1270,2144 1270,1962 1239,1931 1239,1492.94 1301.94,1430 1410.97,1430 1527,1313.97 1527,1155.14 1546.14,1136 v1(1664,1136)
I2C1_SDA: CN3.2 P2.8 U1.93 | length 4847.6
  Top Layer w6: U1.93@1666.57,1227.21 1666.57,1344.57 v1(1675,1353)
  Mid-Layer 2 w6: P2.8@627,2119 675,2071 845,2071 875,2041 875,1982 957,1900 957,1780.97 988.97,1749 1519.97,1749 1657.97,1611 1934,1611 1976,1569 1976,1445.03 1916.97,1386 1708,1386 v1(1675,1353) 1675,1325 1610,1260 1610,1169.49 1550,1109.49 1550,1070 1573.89,1046.11 1614.11,1046.11 1765,1197 1765,1313 1782,1330 2091.03,1330 2182.03,1239 2235.06,1239 2315,1159.06 2315,960 2350,925 2350,271.97 2291.73,213.7 v1(2067.66,213.7)
LCD_BL: P2.20 Q1.1 R4.2 U1.87 | length 3134.3
  Top Layer w6: v1(1784.68,1137) U1.87@1784.68,1227.21 1784.68,1292.68 1828.49,1336.49 2532.51,1336.49 2606,1263 2606,1039 2631.46,1013.54 v1(2669,1013.54)
  Mid-Layer 2 w6: P2.20@1227,2119 1182,2074 1182,1870.97 1243.97,1809 1335,1809 1544.9,1809 1570.91,1782.99 1751.01,1782.99 v1(1752,1782) ; v1(2669,1013.54) 2798.54,1013.54 2829,1044 2829,1097.29 v1(2827.91,1098.39)
  Bottom Layer w6: v1(1752,1782) 1832,1702 1832,1163.13 1805.87,1137 v1(1784.68,1137)